# KiCad board SNES_LoROM_Flash_1-2.kicad_pcb (continued)
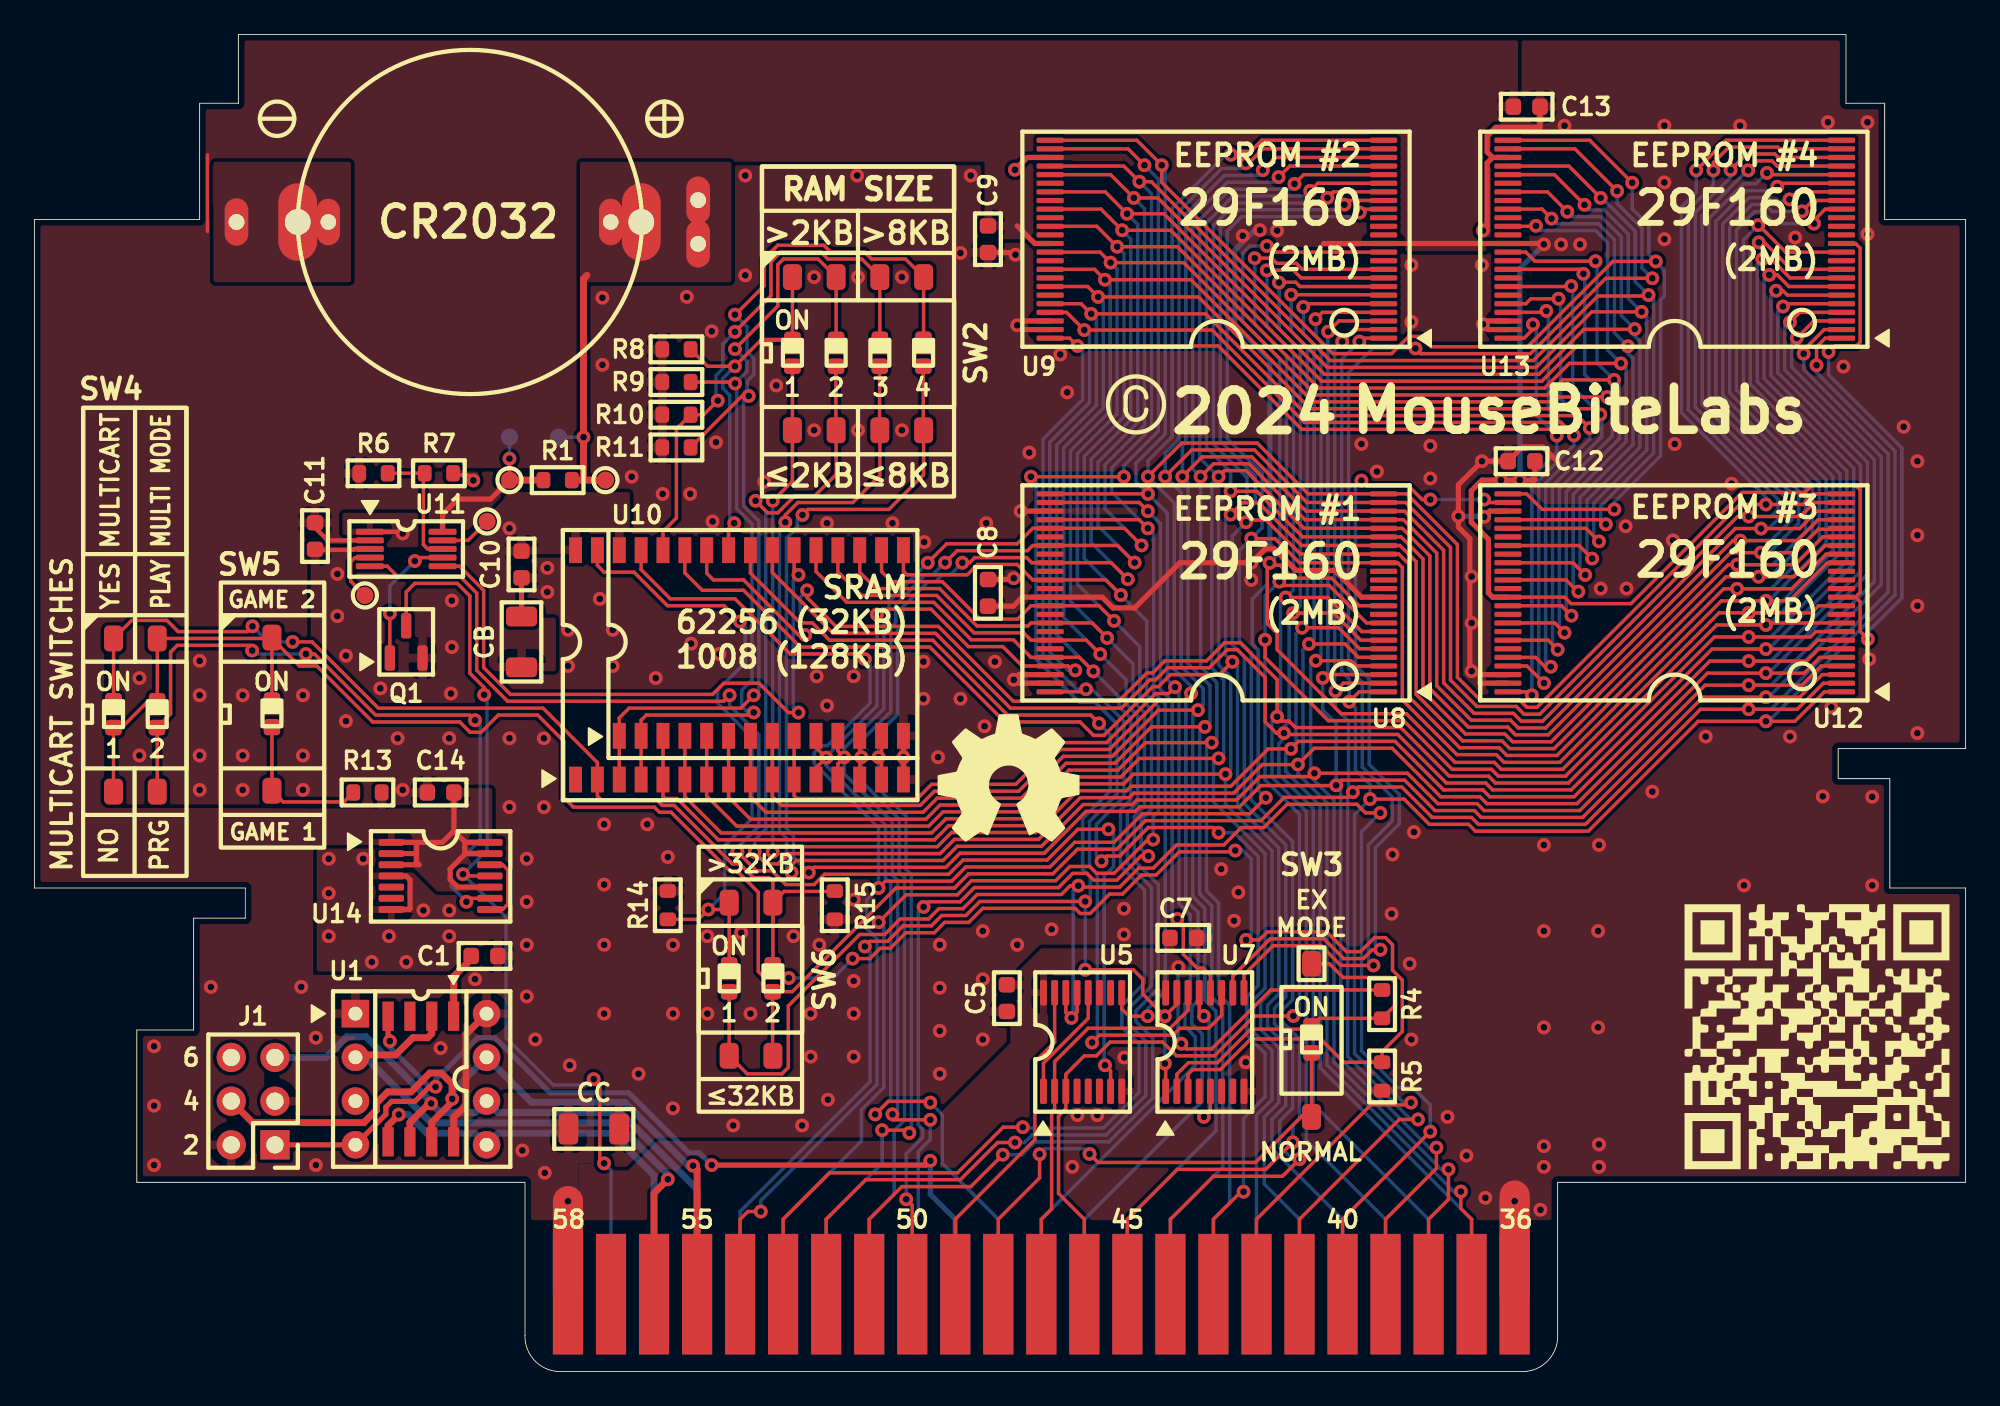
[diagram p0: board, top side]
## Routing (per net, layer and track width the routed paths; a pad name or vN(x,y) marks a point on that pad's centre or on a via; arc(x,y) is an arc through that point) (continued)
  Bottom w0.2: v1(27.6,53.05) TP4.1
+VSW: length 2
  Top w0.25: U11.1 21.3,48.8 v1(21.4,48.7)
  Top w0.3: 31.38,47.67 U10.32
  vias: v1(27.6,49)
/A_{0}: length 147.8
  Top w0.2: U9.45 59.97,61.55 v1(61,60.52) 68.42,60.52 73.79,55.15 88.7,55.15 v1(89.45,54.4) ; v1(87.71,40.01) 86.71,41 U12.45 ; 59.01,41 60.05,41 60.3,40.75 v1(60.48,40.75) ; v1(48.95,44) 49.25,44.3 52.09,44.3 54.26,42.12 56.26,42.12 57.39,41 U8.45 ; v1(52.05,15.63) 51.98,15.7 49.61,15.7 v1(48.85,14.94) ; v1(87.84,61.63) 87.76,61.55 U13.45 ; U10.12 45.41,36.27 v1(46.01,35.67) 45.41,35.08 U10.12
  Bottom w0.2: v1(52.05,15.63) 52.75,14.93 52.75,12.1 56,8.85 P1.17 ; v1(61,60.52) 61.3,60.22 61.3,56.31 59,54.01 59,41.82 60.07,40.75 v1(60.48,40.75) ; v1(48.95,44) 48.95,38.68 46.01,35.74 v1(46.01,35.67) 46.01,35.21 49.44,31.77 49.44,28.69 49.75,28.38 49.75,15.84 v1(48.85,14.94) ; v1(87.71,40.01) 87.4,40.31 87.4,51.79 89.45,53.84 v1(89.45,54.4) 87.96,55.88 87.96,61.51 v1(87.84,61.63)
/A_{1}: length 185.2
  Top w0.2: v1(64.7,51) 64.7,51 59.01,51 ; v1(66.27,39.77) 65.9,39.4 65.14,39.4 62.29,36.55 59.44,36.55 57.02,34.12 52.12,34.12 51.3,33.3 44.3,33.3 44.14,33.46 U10.11 U10.11 ; U13.25 90.36,71.55 v1(92.83,69.08) ; v1(91.79,50.1) 87.6,50.1 86.7,51 U12.25 ; v1(94.2,64.51) 91.71,64.51 86.75,59.55 81.15,59.55 80.55,60.15 79.85,60.15 78.85,59.15 75.45,59.15 74.6,60 65.5,69.1 v1(65.5,70.1) 64.05,71.55 U9.25
  Bottom w0.2: v1(65.5,70.1) 65.7,69.9 65.7,54.49 64,52.79 64,51.71 64.7,51.01 v1(64.7,51) 65.82,49.87 65.82,40.22 v1(66.27,39.77) 66.5,39.54 66.5,27.19 67.16,26.53 67.16,21.69 66.85,21.37 66.85,20.05 67.45,19.45 67.45,17.8 58.5,8.85 P1.16 ; v1(91.79,50.1) 91.79,50.53 94.48,53.21 94.48,62.28 94.7,62.5 94.7,63.99 94.2,64.49 v1(94.2,64.51) 93.8,64.91 93.8,66.6 92.83,67.57 v1(92.83,69.08)
/A_{2}: length 201.5
  Top w0.2: U12.24 103.35,51 102.74,50.39 v1(100.6,50.39) 99.09,50.39 87.3,38.6 86.71,38.6 86.26,39.05 83.98,39.05 82.67,40.35 82.67,48.06 79.73,51 U8.24 ; U9.24 71.31,71.55 70.67,70.91 70.67,70.91 70.09,70.91 69.89,70.71 v1(69.52,70.71) ; 64.7,51.99 v1(64.7,52) 66.65,53.95 71.05,53.95 74,51 78.39,51 ; U13.24 104.99,71.55 98.29,71.55 97.15,70.41 97.15,70.4 v1(96.55,69.8) 96.4,69.8 96.3,69.7 ; v1(67.2,39.41) 66.79,39 65.31,39 62.46,36.15 59.61,36.15 57.18,33.72 52.29,33.72 51.47,32.9 43.4,32.9 42.87,33.43 U10.10 U10.10
  Bottom w0.2: v1(96.55,69.8) 96.55,68.53 95.69,67.67 95.69,55.72 100.6,50.81 v1(100.6,50.39) 100.49,50.39 ; v1(69.52,70.71) 69.21,70.71 66.1,67.6 66.1,54.32 64.7,52.92 64.7,51.99 66.22,50.46 66.22,40.81 67.2,39.83 v1(67.2,39.41) 66.9,39.11 66.9,27.4 67.6,26.7 67.6,21.56 67.25,21.21 67.25,20.21 67.85,19.61 67.85,15.69 61,8.85 P1.15
/A_{3}: length 201.4
  Top w0.2: U9.23 71.38,71.05 70.54,70.21 v1(70.38,70.21) ; U13.23 101.39,71.05 101.28,71.15 98.45,71.15 97.55,70.25 v1(97.55,69.8) ; 78.39,50.5 73.93,50.5 70.88,53.55 67.24,53.55 65.7,52.01 ; U12.23 103.42,50.5 102.82,49.9 102.81,49.9 102.59,49.69 98.95,49.69 87.47,38.2 86.54,38.2 86.09,38.65 83.81,38.65 82.27,40.18 82.28,47.89 79.67,50.5 U8.23 ; U10.9 U10.9 41.6,33.4 42.5,32.5 51.63,32.5 52.45,33.32 57.35,33.32 59.77,35.75 62.62,35.75 65.31,38.44 v1(67.6,38.44)
  Bottom w0.2: v1(70.38,70.21) 70.08,69.91 68.98,69.91 66.5,67.43 66.5,54.16 65.7,53.35 65.7,52.01 66,51.71 66,51.71 66.41,51.3 66.41,51.3 66.62,51.08 66.62,40.97 67.9,39.7 67.9,38.74 v1(67.6,38.44) 67.3,38.14 67.3,27.6 68,26.9 68,21.6 68.65,20.95 68.65,14 63.5,8.85 P1.14 ; v1(99.6,49.69) 100.89,49.69 101.3,50.1 101.3,50.68 96.09,55.88 96.09,67.51 97.55,68.96 v1(97.55,69.8)
  vias: v1(65.7,52)
/A_{4}: length 198.7
  Top w0.2: U10.8 U10.8 40.33,33.37 41.6,32.1 51.8,32.1 52.62,32.92 57.51,32.92 59.94,35.35 62.79,35.35 64.9,37.46 v1(68,37.46) ; 78.39,50 73.89,50 73.74,50.15 73.72,50.15 70.72,53.15 67.85,53.15 v1(66.7,52) 66.7,51.99 ; U13.22 101.32,70.55 101.12,70.75 99.48,70.75 v1(98.55,69.82) ; U9.22 72.11,70.55 v1(71.37,69.81) ; U8.22 79.6,50 81.88,47.73 81.87,40.02 83.64,38.25 85.93,38.25 86.38,37.8 87.63,37.8 98.82,48.99 102.56,48.99 103.57,50 U12.22
  Bottom w0.2: P1.13 66,8.85 69.05,11.9 69.05,21.12 68.4,21.76 68.4,27.07 67.7,27.77 67.7,37.16 v1(68,37.46) 68.3,37.76 68.3,39.86 67.02,41.14 67.02,51.67 v1(66.7,52) 66.7,53.79 66.9,53.99 66.9,67.26 69.14,69.51 71.07,69.51 v1(71.37,69.81) ; v1(100.31,48.99) 100.75,48.99 101.7,49.93 101.7,50.84 96.49,56.05 96.49,67.34 98.55,69.4 v1(98.55,69.82)
/A_{5}: length 198.7
  Top w0.2: v1(99.57,69.8) 100.12,70.35 100.95,70.35 101.26,70.05 U13.21 ; 78.39,49.5 73.82,49.5 73.57,49.75 73.55,49.75 70.55,52.75 68.51,52.75 v1(67.76,52) 67.76,51.94 ; U12.21 103.63,49.5 102.42,48.29 98.68,48.29 87.8,37.4 86.21,37.4 85.76,37.85 83.48,37.85 81.47,39.85 81.47,47.56 79.54,49.5 U8.21 ; v1(68.4,36.55) 64.55,36.55 62.95,34.95 60.11,34.95 57.68,32.52 52.79,32.52 51.96,31.7 40.8,31.7 39.06,33.44 U10.7 U10.7 ; v1(72.29,69.41) 72.93,70.05 U9.21
  Bottom w0.2: v1(72.29,69.41) 71.99,69.11 69.31,69.11 67.3,67.1 67.3,52.46 v1(67.76,52) 67.76,40.97 68.7,40.03 68.7,36.85 v1(68.4,36.55) 68.1,36.25 68.1,27.93 68.8,27.23 68.8,21.93 69.45,21.28 69.45,9.8 68.5,8.85 P1.12 ; 99.57,69.75 v1(99.57,69.8) 99.52,69.8 96.89,67.17 96.89,56.22 102.1,51.01 102.1,49.5 100.89,48.29 v1(99.11,48.29)
/A_{6}: length 198.7
  Top w0.2: 78.39,49 73.76,49 73.41,49.35 73.39,49.35 70.39,52.35 69.15,52.35 v1(68.8,52) ; U10.6 U10.6 37.79,33.41 39.9,31.3 52.13,31.3 52.95,32.12 57.84,32.12 60.27,34.55 63.12,34.55 64.2,35.63 v1(68.8,35.63) ; v1(100.66,69.65) 100.77,69.55 U13.20 ; U8.20 79.47,49 81.07,47.4 81.07,39.69 83.31,37.45 85.6,37.45 86.05,37 87.96,37 98.55,47.59 102.29,47.59 103.65,48.95 104.95,48.95 104.99,48.99 U12.20 ; v1(73.21,69.01) 73.75,69.55 U9.20
  Bottom w0.2: v1(100.31,47.59) 100.79,47.59 102.5,49.3 102.5,51.17 97.29,56.38 97.29,67.01 99.3,69.02 100.03,69.02 v1(100.66,69.65) ; P1.11 71,14.9 71.9,15.8 71.9,18.66 70.85,19.71 70.85,21.62 71.5,22.27 71.5,30.1 68.5,33.1 68.5,35.33 v1(68.8,35.63) 69.1,35.93 69.1,40.19 68.4,40.89 68.4,51.6 v1(68.8,52) 67.7,53.1 67.7,66.93 69.48,68.71 72.9,68.71 v1(73.21,69.01)
/A_{7}: length 200.8
  Top w0.2: U12.19 103.9,48.5 102.29,46.89 98.41,46.89 88.13,36.6 85.88,36.6 85.43,37.05 83.15,37.05 80.67,39.52 80.67,47.23 79.4,48.5 U8.19 ; v1(69.2,34.71) 63.85,34.71 63.29,34.15 60.44,34.15 58.01,31.72 53.12,31.72 52.29,30.9 39.73,30.9 37.33,33.3 36.65,33.3 36.52,33.43 U10.5 U10.5 ; U13.19 101.46,69.05 v1(101.26,68.85) ; 78.39,48.5 73.69,48.5 73.24,48.95 73.22,48.95 71.02,51.15 v1(69.5,51.15) ; v1(74.12,68.61) 74.57,69.05 U9.19
  Bottom w0.2: P1.10 73.5,8.85 71.45,10.9 71.45,14.78 72.3,15.63 72.3,18.82 71.25,19.88 71.25,21.45 71.9,22.1 71.9,30.27 69.2,32.97 v1(69.2,34.71) 69.5,35.01 69.5,40.36 68.8,41.06 68.8,50.45 v1(69.5,51.15) 69.5,52.29 68.1,53.69 68.1,66.77 69.64,68.31 73.82,68.31 v1(74.12,68.61) ; v1(101.26,68.85) 101.03,68.62 99.47,68.62 97.69,66.84 97.69,56.55 102.9,51.34 102.9,48.8 100.99,46.89 v1(98.92,46.89)
/A_{8}: length 200.2
  Top w0.2: v1(69.5,49.8) 70.18,50.48 71.13,50.48 73.06,48.55 73.07,48.55 73.62,48 78.39,48 ; v1(69.6,41.25) 68.85,40.5 66.01,40.5 65.31,39.8 64.98,39.8 62.14,36.97 61.53,36.97 60.75,37.75 56.38,37.75 52.03,42.1 44.5,42.1 41.2,45.4 38.8,45.4 37.79,46.41 U10.27 ; v1(75.12,68.21) 75.47,68.55 U9.18 ; v1(101.97,68.11) 102.41,68.55 U13.18 ; U8.18 79.34,48 80.28,47.06 80.28,39.36 82.98,36.65 85.27,36.65 85.72,36.2 88.29,36.2 98.28,46.19 102.22,46.19 104.04,48 U12.18
  Bottom w0.2: v1(100.17,46.19) 100.85,46.19 103.3,48.63 103.3,51.5 98.09,56.71 98.09,66.68 99.63,68.22 100.71,68.22 100.93,68 101.86,68 v1(101.97,68.11) ; P1.9 76,8.85 71.9,12.95 71.9,14.67 72.7,15.47 72.7,18.99 71.65,20.04 71.65,21.28 72.3,21.94 72.3,30.43 69.9,32.83 69.9,40.95 v1(69.6,41.25) 69.2,41.65 69.2,49.5 v1(69.5,49.8) 69.5,49.8 70.45,50.76 70.45,51.94 68.5,53.9 68.5,66.6 69.81,67.91 74.82,67.91 v1(75.12,68.21)
/A_{9}: length 193.4
  Top w0.2: U12.8 103.5,43 103.19,42.69 97.61,42.69 89.12,34.2 84.89,34.2 84.49,34.6 82.2,34.6 79.38,37.42 73.27,37.42 72.89,37.8 72.45,37.8 v1(72.2,38.05) 72.2,40.21 70.06,42.35 69.15,42.35 68.1,41.3 65.67,41.3 64.97,40.6 64.63,40.6 62.98,38.95 56.87,38.95 52.52,43.3 46.57,43.3 44.89,44.97 v1(44.89,45.4) ; v1(100.39,64.64) 100.92,64.64 102,63.55 U13.8 ; 78.39,43 77.12,43 75.15,44.98 v1(72.7,44.98) ; U10.26 39.06,46.39 39.45,46 41.2,46 44.4,42.8 v1(44.79,42.8) ; v1(71.6,63.99) 71.61,64 73.15,64 73.6,63.55 U9.8
  Bottom w0.2: v1(44.79,42.8) 44.49,43.1 44.49,45 v1(44.89,45.4) ; P1.8 78.5,8.85 73.9,13.45 73.9,32.55 71.9,34.54 71.9,37.75 v1(72.2,38.05) 72.4,38.25 72.4,44.68 v1(72.7,44.98) 73.15,45.43 73.15,59.19 71.61,60.73 71.61,63.98 v1(71.6,63.99) ; v1(99.6,42.69) 100.89,42.69 101.3,43.1 101.3,43.1 105.3,47.1 105.3,52.33 100.09,57.54 100.09,64.34 v1(100.39,64.64)
/A_{10}: length 182.9
  Top w0.2: v1(100.79,63.72) 101.27,63.72 101.94,63.05 U13.7 ; v1(73.13,44.08) 75.48,44.08 77.05,42.5 78.39,42.5 ; U9.7 73.53,63.05 73.28,63.3 72.33,63.3 v1(72.31,63.28) ; U10.23 42.87,46.43 46.4,42.9 52.36,42.9 56.71,38.55 63.15,38.55 64.8,40.2 65.14,40.2 65.84,40.9 68.26,40.9 69.31,41.95 69.89,41.95 71.5,40.34 71.5,37.76 72.16,37.1 v1(72.6,37.1) 72.68,37.02 79.21,37.02 82.04,34.2 84.32,34.2 84.72,33.8 89.29,33.8 97.47,41.99 103.09,41.99 103.61,42.5 U12.7
  Bottom w0.2: 72.8,37 72.3,36.5 72.3,34.71 74.3,32.71 74.3,15.55 81,8.85 P1.7 ; v1(72.31,63.28) 72.52,63.07 72.32,62.86 72.32,60.59 73.55,59.35 73.55,44.5 v1(73.13,44.08) 72.9,43.85 72.9,37.76 72.6,37.46 v1(72.6,37.1) ; v1(100.79,63.72) 100.49,63.42 100.49,57.71 105.7,52.5 105.7,46.93 101.7,42.93 101.7,42.93 100.76,41.99 v1(100.6,41.99)
/A_{11}: length 203.6
  Top w0.2: v1(42.89,30.2) 43.19,30.5 52.46,30.5 53.28,31.32 58.18,31.32 60.6,33.75 63.45,33.75 63.72,34.01 69.51,34.01 71.69,36.19 v1(73.01,36.19) 73.44,36.62 79.05,36.62 81.87,33.8 84.16,33.8 84.56,33.4 89.45,33.4 97.34,41.29 102.96,41.29 103.67,42 U12.6 ; SW2.1 SW2.1 44.04,51.74 v1(42.9,50.6) ; v1(101.19,62.81) 101.59,62.81 101.85,62.55 U13.6 ; U9.6 78.36,62.57 v1(73.02,62.57) ; v1(73.65,43.22) 75.77,43.22 76.99,42 78.39,42
  Bottom w0.2: v1(99.6,41.29) 100.89,41.29 101.3,41.7 101.3,41.7 106.1,46.5 106.1,52.66 100.89,57.87 100.89,62.51 v1(101.19,62.81) ; v1(73.02,62.57) 73.02,60.45 73.95,59.52 73.95,43.52 v1(73.65,43.22) 73.3,42.87 73.3,36.48 v1(73.01,36.19) 72.7,35.88 72.7,34.88 74.7,32.88 74.7,17.65 83.5,8.85 P1.6 ; v1(42.9,50.6) 42.89,50.59 v1(42.89,30.2)
/A_{12}: length 205.6
  Top w0.2: v1(73.72,61.87) 73.8,61.87 73.98,62.05 U9.5 ; v1(74.05,42.28) 76.15,42.28 76.92,41.5 78.39,41.5 ; v1(41.84,30.2) 41.84,30.17 42.51,29.5 43.2,29.5 43.8,30.1 52.63,30.1 53.45,30.92 58.34,30.92 60.77,33.35 63.62,33.35 63.88,33.61 69.68,33.61 71.34,35.27 v1(73.41,35.27) 74.36,36.22 78.88,36.22 81.71,33.4 83.99,33.4 84.39,33 89.62,33 97.21,40.59 102.82,40.59 103.74,41.5 U12.5 ; v1(101.59,61.89) 101.75,62.05 U13.5 ; P1.37 83.5,8.85 82.88,9.47 v1(82.88,10.46) ; SW2.2 46.56,54.71 SW2.2 46.58,52.13 45.35,50.9 44.19,50.9 43.19,49.9 42.6,49.9 v1(41.9,50.6)
  Bottom w0.2: v1(100.6,40.59) 100.76,40.59 101.7,41.53 101.7,41.53 106.5,46.33 106.5,52.83 101.29,58.04 101.29,61.59 v1(101.59,61.89) ; v1(82.88,10.46) 82.45,10.46 75.1,17.82 75.1,33.04 73.41,34.73 v1(73.41,35.27) 73.71,35.57 73.71,36.48 73.7,36.48 73.7,41.93 v1(74.05,42.28) 74.35,42.58 74.35,59.68 73.73,60.3 73.73,61.86 v1(73.72,61.87) ; v1(41.9,50.6) 42.49,50.01 42.49,31.53 41.84,30.88 v1(41.84,30.2)
/A_{13}: length 202.1
  Top w0.2: U12.4 103.8,41 102.69,39.89 97.07,39.89 89.79,32.6 84.22,32.6 83.82,33 81.54,33 79.77,34.77 v1(74.37,34.77) 74.17,34.57 71.2,34.57 69.85,33.21 64.05,33.21 63.78,32.95 60.93,32.95 58.51,30.52 53.61,30.52 52.79,29.7 44.27,29.7 43.99,29.43 v1(43.99,29) ; U13.4 102.57,61.55 v1(101.99,60.97) ; v1(74.43,61.16) 74.44,61.16 74.84,61.55 U9.4 ; P1.38 81,8.85 82.16,10.01 v1(82.16,11.75) ; v1(74.45,41.31) 76.49,41.31 76.8,41 78.39,41 ; v1(43.63,49.35) 43.63,49.77 44.36,50.5 47.55,50.5 49.12,52.07 SW2.3 49.1,54.71 SW2.3
  Bottom w0.2: v1(82.16,11.75) 81.73,11.75 75.5,17.98 75.5,33.21 74.37,34.34 v1(74.37,34.77) 74.15,34.98 74.15,41.01 v1(74.45,41.31) 74.75,41.61 74.75,59.85 74.46,60.14 74.46,61.13 v1(74.43,61.16) ; v1(43.99,29) 43.7,29.3 43.7,30.98 43.29,31.39 43.29,49.01 ; 43.29,49.01 43.6,49.32 ; 43.29,49.01 43.63,49.35 v1(43.63,49.35) ; v1(101.99,60.97) 101.69,60.67 101.69,58.2 106.9,53 106.9,45.9 101.3,40.3 101.3,40.3 100.89,39.89 v1(99.6,39.89)
/A_{14}: length 199
  Top w0.2: U9.3 75.79,61.05 v1(75.16,60.43) ; v1(44.62,49.78) 44.95,50.1 49.65,50.1 51.66,52.11 SW2.4 51.64,54.71 SW2.4 ; v1(81.46,13.01) 81.46,11.81 78.5,8.85 P1.39 ; v1(74.85,40.31) 75.05,40.5 78.39,40.5 ; v1(102.39,60.06) 103.38,61.05 U13.3 ; 89.95,32.2 84.06,32.2 83.66,32.6 81.37,32.6 79.61,34.37 75.93,34.37 v1(75.63,34.07) 75.61,34.05 71.25,34.05 70.01,32.81 64.21,32.81 63.95,32.55 61.1,32.55 58.67,30.12 53.78,30.12 52.96,29.3 45.29,29.3 v1(44.99,29) ; 89.95,32.2 89.98,32.22 ; 89.95,32.2 89.98,32.22 ; 89.98,32.22 96.94,39.19 102.56,39.19 103.87,40.5 U12.3
  Bottom w0.2: v1(100.6,39.19) 100.76,39.19 101.7,40.13 101.7,40.13 107.3,45.73 107.3,53.16 102.09,58.37 102.09,59.76 v1(102.39,60.06) ; v1(75.16,60.43) 75.15,60.41 75.15,40.61 v1(74.85,40.31) 74.85,38.45 75.63,37.67 v1(75.63,34.07) 75.9,33.8 75.9,18.15 81.03,13.01 v1(81.46,13.01) ; v1(44.99,29) 44.99,29 44.1,29.89 44.1,31.15 43.69,31.56 43.69,48.43 44.33,49.06 44.33,49.48 v1(44.62,49.78)
/A_{15}: length 94.6
  Top w0.2: P1.40 76,8.85 v1(81.09,13.94) ; 40.36,22.08 SW6.1 41.41,17.3 43.43,17.3 43.8,17.67 43.8,21.25 47.95,25.4 49.4,25.4 50.3,26.3 51.95,26.3 52.55,26.9 53.95,26.9 54.77,27.72 59.67,27.72 60.18,28.23 v1(60.65,28.23) 60.73,28.15 63.05,28.15 64.16,29.26 65.01,29.26 66.35,30.6 69.1,30.6 70.11,31.61 71.43,31.61 72.78,32.97 76.31,32.97 76.31,32.97 76.83,32.97 77.34,32.46 v1(78.2,32.46) ; U5.13 60.57,20.88 v1(60.25,20.55) 59.92,20.88 59.92,22.01
  Bottom w0.2: v1(60.65,28.23) 60.35,27.93 60.35,20.65 v1(60.25,20.55) ; v1(78.2,32.46) 77.1,31.37 77.1,18.64 79.24,16.51 80.09,16.51 81.09,15.5 v1(81.09,13.94)
/BA_{0}: length 171.9
  Top w0.2: P1.41 73.5,8.85 79.3,14.65 v1(80.39,14.65) ; 78.39,40 76.05,40 v1(75.59,39.54) ; U9.2 76.68,60.55 v1(75.98,59.85) ; v1(102.79,59.14) 102.79,59.36 103.98,60.55 U13.2 ; SW6.2 42.89,18.36 42.89,22.08 44.03,22.08 50.05,28.1 53.45,28.1 54.28,28.92 59.17,28.92 60.6,30.36 62.89,30.36 64.54,32.01 71.26,32.01 72.62,33.37 76.3,33.37 v1(76.6,33.67) 76.9,33.97 79.44,33.97 81.21,32.2 83.49,32.2 83.89,31.8 90.12,31.8 96.8,38.49 102.42,38.49 103.93,40 U12.2
  Bottom w0.2: v1(80.39,14.65) 79.96,14.65 76.3,18.31 76.3,33.37 v1(76.6,33.67) 76.35,33.92 76.35,37.8 75.59,38.55 v1(75.59,39.54) 75.55,39.59 75.55,59.42 v1(75.98,59.85) ; v1(99.6,38.49) 100.89,38.49 107.7,45.3 107.7,53.33 102.79,58.24 v1(102.79,59.14)
/BA_{1}: length 127.2
  Top w0.2: P1.42 71,8.85 77.65,15.5 79.85,15.5 v1(79.98,15.63) ; U12.1 104,39.5 102.29,37.79 96.67,37.79 90.28,31.4 83.73,31.4 83.33,31.8 81.04,31.8 79.58,33.27 v1(77.6,33.27) ; 78.39,39.5 76.97,39.5 v1(76.39,38.93) ; v1(103.54,58.48) 103.54,59.54 104.05,60.05 U13.1 ; v1(76.98,59.85) 77.18,60.05 U9.1
  Bottom w0.2: v1(79.98,15.63) 79.55,15.63 76.7,18.48 76.7,32.37 v1(77.6,33.27) 77.6,34.11 76.75,34.96 76.75,38.57 v1(76.39,38.93) 76.39,40.24 75.95,40.68 75.95,58.82 v1(76.98,59.85) ; v1(103.54,58.48) 103.54,58.05 108.1,53.49 108.1,45.13 100.76,37.79 v1(100.6,37.79)
/BA_{2}: length 132.4
  Top w0.2: v1(70.25,10.45) 70.1,10.45 68.5,8.85 P1.43 ; 59.01,39.5 60.95,39.5 v1(61.1,39.65) ; v1(87.06,60.85) 87.06,60.56 86.55,60.05 U13.48 ; U9.48 60.15,60.05 v1(60.6,59.6) 68.78,59.6 73.63,54.75 88.08,54.75 v1(88.45,54.39) ; v1(68.8,31.31) 68.5,31.61 64.71,31.61 63.05,29.96 62.3,29.96 v1(62,29.66) ; U12.48 86.8,39.5 v1(87,39.3)
  Bottom w0.2: v1(62,29.66) 61.7,29.96 61.7,31.8 63.3,33.4 63.3,37.79 61.44,39.65 v1(61.1,39.65) 60.55,39.65 58.6,41.6 58.6,54.17 60.9,56.48 60.9,59.3 v1(60.6,59.6) ; v1(68.8,31.31) 69.72,31.31 71.1,29.94 71.1,22.44 70.45,21.78 70.45,19.54 71.5,18.49 71.5,15.97 70.25,14.72 v1(70.25,10.45) ; v1(87,39.3) 87,51.96 88.45,53.4 v1(88.45,54.39) 87.26,55.58 87.26,60.66 v1(87.06,60.85)
/BA_{3}: length 165.4
  Top w0.2: U8.17 79.27,47.5 79.88,46.9 79.88,39.19 82.82,36.25 85.1,36.25 85.55,35.8 88.46,35.8 98.15,45.49 102.09,45.49 104.1,47.5 U12.17 ; v1(70.39,49.35) 70.52,49.48 71.56,49.48 72.89,48.15 72.91,48.15 73.56,47.5 78.39,47.5 ; U13.17 103.33,68.05 v1(102.69,67.42) ; v1(76.11,67.81) 76.35,68.05 U9.17 ; P1.44 66,8.85 68.5,11.35 72.51,11.35 v1(73.5,12.34)
  Bottom w0.2: v1(102.69,67.42) 102.27,67.42 102.26,67.41 100.95,67.41 100.55,67.82 99.8,67.82 98.49,66.51 98.49,56.88 103.7,51.67 103.7,48.3 101.3,45.9 101.3,45.9 100.89,45.49 v1(98.92,45.49) ; v1(76.11,67.81) 75.81,67.51 69.97,67.51 68.9,66.44 68.9,54.06 70.93,52.03 70.93,50.48 70.52,50.07 70.52,49.48 v1(70.39,49.35) 69.6,48.56 69.6,42.24 70.3,41.54 70.3,33 72.7,30.6 72.7,21.77 72.05,21.12 72.05,20.21 73.1,19.15 73.1,15.3 72.35,14.55 72.35,13.1 73.11,12.34 v1(73.5,12.34)
/BA_{4}: length 163.5
  Top w0.2: P1.45 63.5,8.85 66.4,11.75 71.54,11.75 v1(73.11,13.33) ; 70.65,48.4 72.08,48.4 72.72,47.75 72.74,47.75 73.49,47 78.39,47 ; U12.16 104.17,47 101.95,44.79 98.01,44.79 88.63,35.4 85.38,35.4 84.93,35.85 82.65,35.85 79.47,39.02 79.47,46.73 79.21,47 U8.16 ; v1(77,67.35) 77.2,67.55 U9.16 ; v1(103.39,66.7) 103.39,66.89 104.05,67.55 U13.16
  Bottom w0.2: v1(100.6,44.79) 100.76,44.79 101.7,45.73 101.7,45.73 104.1,48.13 104.1,51.84 98.89,57.04 98.89,66.35 99.95,67.4 100.4,67.4 101.1,66.7 v1(103.39,66.7) ; v1(77,67.35) 76.76,67.11 70.14,67.11 69.3,66.27 69.3,54.23 71.33,52.2 71.33,49.03 v1(70.7,48.4) 70,47.7 70,42.47 70.7,41.77 70.7,33.2 73.1,30.8 73.1,21.61 72.45,20.95 72.45,20.37 73.5,19.32 73.5,14.7 73.11,14.31 v1(73.11,13.33)
/BA_{5}: length 162.9
  Top w0.2: v1(70.9,64.7) 71.88,64.7 72.18,64.4 73.31,64.4 73.66,64.05 U9.9 ; P1.46 61,8.85 59.5,10.35 59.5,14.85 59.92,15.27 59.92,17.27 61,18.35 61.7,18.35 62.5,19.15 65.55,19.15 66.35,18.35 68.57,18.35 70.88,20.66 v1(73.15,20.66) ; v1(100.18,65.62) 100.5,65.62 102.07,64.05 U13.9 ; v1(72.33,45.91) 72.55,45.68 75.22,45.68 77.4,43.5 78.39,43.5 ; U12.9 100.71,43.5 v1(100.6,43.39) 97.74,43.39 88.96,34.6 85.05,34.6 84.65,35 82.37,35 79.55,37.82 75.18,37.82 71.5,41.5 v1(71.5,42.52)
  Bottom w0.2: v1(100.6,43.39) 100.76,43.39 101.7,44.33 101.7,44.33 104.9,47.53 104.9,52.17 99.69,57.38 99.69,65.13 v1(100.18,65.62) ; v1(70.9,64.7) 70.9,64.7 70.9,60.87 72.75,59.02 72.75,46.33 v1(72.33,45.91) 71.5,45.08 v1(71.5,42.52) 71.5,34.38 73.5,32.38 73.5,21.02 v1(73.15,20.66)
/BA_{6}: length 23.8
  Top w0.2: P1.47 58.5,8.85 59.1,9.45 59.1,15.08 59.28,15.25 U5.2 59.28,18.01 61.22,19.95 65.99,19.95 67.03,20.99 U7.14
/BA_{7}: length 30.3
  Top w0.2: P1.48 56,8.85 58.4,11.25 v1(58.4,12.63) ; v1(61.31,12.64) 61.8,12.15 70.95,12.15 73.66,14.86 74.14,14.86 SW3.1 SW3.1
  Bottom w0.2: v1(61.31,12.64) 61,12.95 58.72,12.95 v1(58.4,12.63)
/CIC.CLK: length 34.3
  Top w0.4: U1B1.2 18.79,18.4 20.98,18.4 21.98,19.4 22.85,19.4 23.08,19.63 U1A1.2 ; P1.56 36,10.37 v1(36.8,11.17)
  Bottom w0.4: U1B1.2 19.24,18.26 23.05,14.45 33.8,14.45 36.8,11.45 v1(36.8,11.17)
/CIC.D_{0}: length 44.3
  Top w0.4: P1.55 38.5,11.73 v1(38.27,11.97) ; J1.4 12.68,14.47 19.14,14.47 19.87,15.2 19.87,15.6 20.52,16.25 21.87,16.25 22.97,17.35 23.64,17.35 24.27,16.71 v1(24.27,15.85) 24.27,15.67 23.08,14.48 U1A1.7
  Bottom w0.4: v1(38.27,11.97) 37.98,11.97 34.3,15.65 28.88,15.65 U1B1.7 24.27,16.26 v1(24.27,15.85)
/CIC.D_{1}: length 38.2
  Top w0.4: v1(23.05,15.58) 22.93,15.58 21.81,14.47 21.81,13.35
  Bottom w0.4: P1.24 38.5,10.6 34.05,15.05 26.94,15.05 U1B1.6 25.6,15.05 23.58,15.05 v1(23.05,15.58) 23.05,15.67 19.26,19.46 18.15,19.46 16.95,18.25 J1.5
/CIC.RST: length 25.6
  Top w0.4: v1(21.17,14.93) 21.17,14.92 20.54,14.3 U1A1.5
  Bottom w0.4: v1(21.17,14.93) 21.72,14.93 22.8,13.85 25.6,13.85 U1B1.5 26.94,13.85 33.55,13.85 36,11.4 P1.25
/D_{0}: length 161.4
  Top w0.2: 59.01,49 63.33,49 v1(64.32,48.01) ; U10.13 46.68,35.32 v1(47.05,35.69) 46.68,36.06 U10.13 ; v1(90.9,48.24) 90.14,49 U12.29 ; v1(90.06,67.8) 88.31,69.55 U13.29 ; v1(52.05,14.63) 49.87,14.63 49.85,14.64 v1(49.85,14.95) ; U9.29 62.53,69.55 v1(63.88,68.2) 65.27,68.2 75.12,58.35 87.25,58.35 90.48,61.58 v1(93.38,61.58) ; v1(51.9,47) 53,48.1 57.1,48.1 58,49 U8.29
  Bottom w0.2: v1(49.85,14.95) 50.15,15.25 50.15,28.55 49.84,28.86 49.84,31.94 47.05,34.73 v1(47.05,35.69) 47.05,36.22 49.35,38.52 49.35,43.41 49.65,43.71 49.65,44.75 v1(51.9,47) ; v1(52.05,14.63) 52.05,13.48 51.35,12.78 51.35,9.17 51,8.83 P1.19 ; v1(90.9,48.24) 90.6,48.54 90.6,50.47 93.68,53.54 93.68,61.28 v1(93.38,61.58) 92.6,62.36 92.6,66.1 91.2,67.5 90.36,67.5 v1(90.06,67.8) ; v1(64.32,48.01) 62.2,50.14 62.2,52.68 64.5,54.99 64.5,67.58 v1(63.88,68.2)
/D_{1}: length 156.4
  Top w0.2: v1(92.98,60.58) 92.85,60.58 92.83,60.56 90.03,60.56 87.41,57.95 74.95,57.95 74.1,58.8 65.62,67.28 v1(63.48,67.28) 62.21,68.55 U9.31 ; v1(63.92,47.01) 62.93,48 59.01,48 ; v1(90.5,47.24) 89.74,48 U12.31 ; v1(52.91,47.01) 53.6,47.7 57.7,47.7 58,48 U8.31 ; U13.31 87.91,68.55 v1(89.06,67.4) ; U10.14 U10.14
  Bottom w0.2: v1(63.48,67.28) 64.1,66.66 64.1,55.15 61.8,52.85 61.8,49.14 v1(63.92,47.01) ; v1(89.06,67.4) 89.36,67.1 91.04,67.1 92.2,65.94 92.2,61.36 v1(92.98,60.58) 92.98,60.17 93.28,59.87 93.28,53.71 90.2,50.63 90.2,47.54 v1(90.5,47.24) ; v1(52.91,47.01) 52.6,47.01 52.6,46.71 52.19,46.3 51.77,46.3 50.05,44.58 50.05,43.54 49.75,43.24 49.75,38.35 48.05,36.65 v1(48.05,35.7) 48.05,34.3 50.24,32.1 50.24,29.02 50.55,28.71 50.55,14.6 49.95,14 49.95,10.3 48.5,8.85 P1.20
/D_{2}: length 155.7
  Top w0.2: v1(63.52,46.04) 62.56,47 59.01,47 ; U8.33 57.95,47 57.65,47.3 54.63,47.3 54.34,47 v1(53.91,47) ; v1(92.58,59.58) 89.61,59.58 87.58,57.55 74.79,57.55 66.02,66.32 v1(63.2,66.32) 61.97,67.55 U9.33 ; v1(90.1,46.29) 89.39,47 U12.33 ; v1(50.83,13.87) 50.67,14.03 v1(49.25,14.03) ; U13.33 87.59,67.55 v1(88.14,67) ; U10.15 U10.15
  Bottom w0.2: v1(49.25,14.03) 49.25,12.1 46,8.85 P1.21 ; v1(53.91,47) 53.22,46.31 52.76,46.31 52.36,45.9 51.93,45.9 50.45,44.42 50.45,43.38 50.15,43.08 50.15,38.19 49.05,37.09 v1(49.05,35.7) 49.05,33.86 50.64,32.27 50.64,29.19 50.95,28.88 50.95,13.99 v1(50.83,13.87) ; v1(63.2,66.32) 63.7,65.82 63.7,55.32 61.4,53.01 61.4,48.17 v1(63.52,46.04) ; v1(90.1,46.29) 89.8,46.59 89.8,50.8 92.88,53.87 92.88,58.87 92.58,59.17 v1(92.58,59.58) 91.8,60.36 91.8,65.77 90.87,66.7 88.44,66.7 v1(88.14,67)
/D_{3}: length 165.5
  Top w0.2: 87.2,66.3 87.2,66.54 v1(87.24,66.58) 87.21,66.55 U13.35 ; 59.01,46 62.25,46 v1(63.12,45.13) ; U8.35 58,46 57.1,46.9 54.8,46.9 54.2,46.3 50.7,46.3 50.49,46.51 U10.17 ; v1(49.05,26.11) 50.64,27.7 53.62,27.7 54.44,28.52 59.34,28.52 60.16,29.35 61.32,29.35 61.71,28.96 62.73,28.96 64.69,30.91 v1(65,30.91) ; v1(92.18,58.58) 89.18,58.58 87.74,57.15 74.62,57.15 66.41,65.36 v1(62.91,65.36) 61.72,66.55 U9.35 ; v1(89.7,45.32) 89.67,45.32 88.99,46 U12.35
  Bottom w0.2: v1(65,30.91) 65,32.22 65.3,32.52 65.3,38.62 64.62,39.3 64.62,43.62 v1(63.12,45.13) 61,47.25 61,53.18 63.3,55.48 63.3,64.97 v1(62.91,65.36) ; v1(49.05,26.11) 49.35,25.81 49.35,16.52 48.05,15.22 48.05,13.4 43.5,8.85 P1.22 ; v1(89.7,45.32) 89.67,45.32 89.4,45.59 89.4,50.96 92.48,54.04 92.48,58.28 v1(92.18,58.58) 91.4,59.36 91.4,65.61 90.71,66.3 87.52,66.3 v1(87.24,66.58)
/D_{4}: length 160.6
  Top w0.2: v1(64.72,29.96) 64.29,29.96 62.89,28.56 61.54,28.56 61.15,28.95 60.33,28.95 59.5,28.12 54.61,28.12 53.79,27.3 51.96,27.3 v1(51.66,27) ; U13.38 86.65,65.05 87.18,64.52 v1(90.7,64.52) ; U12.38 88.72,44.5 v1(89.3,43.92) ; U8.38 57.9,44.5 57.12,43.72 54.93,43.72 52.75,45.9 49.8,45.9 49.22,46.48 U10.18 ; v1(62.72,43.63) 61.85,44.5 59.01,44.5 ; U9.38 61.91,65.05 v1(62.52,64.44) 66.77,64.44 74.46,56.75 87.91,56.75 88.79,57.63 v1(91.78,57.63) ; P1.50 51,9.66 v1(50.65,10.01)
  Bottom w0.2: v1(89.3,43.92) 89,44.22 89,51.13 92.08,54.21 92.08,57.33 v1(91.78,57.63) 90.78,58.62 90.78,64.44 v1(90.7,64.52) ; v1(62.52,64.44) 62.9,64.06 62.9,55.65 60.6,53.35 60.6,45.75 v1(62.72,43.63) 64.22,42.13 64.22,39.13 64.9,38.46 64.9,32.68 64.3,32.08 64.3,30.37 v1(64.72,29.96) ; v1(50.65,10.01) 50.65,12.65 51.6,13.6 51.6,14.09 51.35,14.34 51.35,26.69 v1(51.66,27)
/D_{5}: length 160
  Top w0.2: 59.01,43.5 61.45,43.5 v1(62.32,42.63) ; U13.40 89.73,64.05 v1(90,63.79) ; U10.19 47.95,46.45 48.9,45.5 52.59,45.5 54.76,43.33 57.72,43.33 57.9,43.5 U8.40 ; v1(56.26,12.6) 54.41,10.75 50.4,10.75 48.5,8.85 P1.51 ; U12.40 88.33,43.5 v1(88.9,42.93) ; v1(91.38,56.63) 88.35,56.63 88.08,56.35 74.29,56.35 67.19,63.45 v1(62.2,63.45) 61.6,64.05 U9.40
  Bottom w0.2: v1(88.9,42.93) 88.6,43.23 88.6,51.29 91.68,54.37 91.68,56.33 v1(91.38,56.63) 90.08,57.93 90.08,63.71 v1(90,63.79) ; v1(62.2,63.45) 62.5,63.15 62.5,55.81 60.2,53.51 60.2,44.76 v1(62.32,42.63) 63.82,41.13 63.82,38.97 64.5,38.29 64.5,32.85 63.9,32.25 63.9,29.7 65.3,28.3 65.3,22.26 63.98,20.94 63.98,20.36 64.39,19.95 64.4,19.95 64.97,19.38 64.97,15.89 62.43,13.35 58.13,13.35 57.38,12.6 56.27,12.6 v1(56.26,12.6)
/D_{6}: length 160.5
  Top w0.2: v1(88.5,41.95) 87.95,42.5 U12.42 ; v1(90.98,55.62) 90.65,55.95 74.12,55.95 67.63,62.45 v1(61.8,62.45) 61.2,63.05 U9.42 ; U8.42 57.9,42.5 57.47,42.92 54.59,42.92 52.42,45.1 48.05,45.1 46.68,46.47 U10.20 ; v1(61.92,41.69) 61.11,42.5 59.01,42.5 ; v1(56.97,13.31) 55.96,13.31 53.8,11.15 48.3,11.15 46,8.85 P1.52 ; v1(89.29,63.08) 89.26,63.05 U13.42
  Bottom w0.2: v1(88.5,41.95) 88.2,42.25 88.2,51.46 91.07,54.33 91.07,55.53 v1(90.98,55.62) 89.38,57.22 89.38,62.99 v1(89.29,63.08) ; v1(61.8,62.45) 62.1,62.15 62.1,55.98 59.8,53.68 59.8,43.82 v1(61.92,41.69) 63.42,40.19 63.42,38.8 64.1,38.12 64.1,33.07 63.5,32.47 63.5,29.53 64.9,28.13 64.9,22.42 63.58,21.11 63.58,20.19 64.57,19.2 64.57,16.06 62.27,13.75 57.96,13.75 57.52,13.31 v1(56.97,13.31)
/D_{7}: length 161.2
  Top w0.2: v1(88.55,62.34) 86.94,62.34 86.65,62.05 U13.44 ; U8.44 57.9,41.5 56.88,42.52 54.43,42.52 52.25,44.7 47.2,44.7 45.41,46.49 U10.21 ; P1.53 43.5,8.85 46.2,11.55 53.63,11.55 56.28,14.2 v1(57.42,14.2) ; U12.44 87.22,41.5 87.76,40.96 v1(88.1,40.96) ; 59.01,41.5 60.71,41.5 v1(61.52,40.69) ; U9.44 60.81,62.05 v1(61.4,61.46) 68.05,61.46 73.96,55.55 89.64,55.55 v1(90.37,54.83)
  Bottom w0.2: v1(88.1,40.96) 87.8,41.26 87.8,51.63 90.37,54.19 v1(90.37,54.83) 88.67,56.52 88.67,62.22 v1(88.55,62.34) ; v1(57.42,14.2) 57.47,14.15 62.1,14.15 64.17,16.22 64.17,19.03 63.18,20.03 63.18,21.27 64.5,22.59 64.5,27.97 63.1,29.37 63.1,32.63 63.7,33.23 63.7,37.96 63.02,38.63 63.02,39.19 v1(61.52,40.69) 59.4,42.82 59.4,53.84 61.7,56.15 61.7,61.16 v1(61.4,61.46)
/FF_{OUT}: length 41.9
  Top w0.2: v1(25.6,37.85) 25.3,38.15 19.82,38.15 16.27,41.7 v1(15.78,41.7) ; 7.29,33.7 7.29,33.85 ; U14.9 25.3,27.5 v1(25.1,27.3) ; 7.41,33.42 7.12,33.72 ; SW4.2 7.13,37.41 SW4.2 7.91,38.22 7.91,41.81 8.3,42.2 12.5,42.2 12.65,42.05 v1(12.65,41.9)
  Bottom w0.2: v1(25.1,27.3) 24.2,28.2 24.2,29.19 25.9,30.89 25.9,37.55 v1(25.6,37.85) ; v1(12.65,41.9) 12.85,41.7 v1(15.78,41.7)
/MULTI: length 130.5
  Top w0.2: U7.3 67.03,17.27 67.3,17.55 68.9,17.55 70.67,19.33 74.72,19.33 76.07,17.97 R5.1 78.3,18.59 79.47,19.76 79.47,22.75 78.91,23.32 78.91,24.8 78.5,25.21 77.86,25.21 77.04,24.4 76.23,24.4 75.08,25.55 71.63,25.55 71.17,25.09 v1(70.4,25.09) ; SW5.2 13.75,42.6 7.29,42.6 ; SW5.2 13.8,42.6 15.4,41 16.4,41 19.65,37.75 24.71,37.75 25.31,37.15 25.95,37.15 26.95,38.15 29.24,38.15 30.77,36.62 30.77,33.35 31.32,32.8 36.02,32.8 36.32,32.5 37,32.5 37,32.49 40.39,29.1 40.81,29.1 42.06,27.86 42.06,23.25 42.43,22.88 43.82,22.88 v1(43.83,22.87) ; SW5.2 13.8,39.02 ; SW4.1 SW4.1 5.07,37.42 6.62,38.97 SW4.3 ; v1(47.54,24) 47.54,24 48.54,24 49.14,24.6 49.73,24.6 50.63,25.5 52.28,25.5 52.88,26.1 54.28,26.1 55.1,26.92 60.46,26.92 60.76,26.62 61.34,26.62 62.47,27.75 63.22,27.75 64.32,28.86 65.17,28.86 66.52,30.2 69.69,30.2 v1(69.77,30.28) ; 7.14,38.97 7.14,42.6
  Bottom w0.2: v1(47.54,24) 46.41,22.87 v1(43.83,22.87) ; v1(70.4,25.09) 70.7,25.39 70.7,29.77 70.14,30.34 70.08,30.28 v1(69.77,30.28)
/MULTI_{PU}: length 8.9
  Top w0.2: SW5.1 RS5.1 SW5.1 14.45,33.1 17.97,33.1 R13.2
/RAM.MULTI: length 58.9
  Top w0.2: R15.1 46.47,27.9 43.56,27.9 SW6.3 ; SW6.3 SW6.3 ; SW6.3 42.91,28.48 42.68,28.7 41.78,28.7 40.98,29.5 40.56,29.5 39.56,30.5 39.56,30.51 37.17,32.9 36.48,32.9 36.18,33.2 32.95,33.2 32.71,33.44 U10.2 32.71,35.39 29.55,38.55 19.98,38.55 16.13,42.4 v1(15,42.4) ; 4.75,42.45 4.75,42.6 ; v1(12.67,43.31) 12.36,43 8.35,43 7.7,43.65 5.65,43.65 4.6,42.6 4.6,38.97
  Bottom w0.2: v1(15,42.4) 13.58,42.4 v1(12.67,43.31)
/RAM.~{CE}: length 76.7
  Top w0.2: U5.7 62.53,17.47 v1(62.2,17.8) ; U11.5 20.5,46.8 21.1,46.2 24.73,46.2 25.7,45.23 25.7,40.74 27.49,38.95 40.04,38.95 v1(40.39,39.3) ; v1(62.4,31.51) 60.63,31.51 58.84,29.72 53.95,29.72 53.12,28.9 45.9,28.9 45.3,28.3 43.65,28.3 42.85,29.1 41.94,29.1 v1(40.84,30.2)
  Bottom w0.2: v1(40.39,39.3) 40.39,38.71 42.09,37.01 42.09,31.7 40.84,30.45 v1(40.84,30.2) ; v1(62.2,17.8) 62.15,17.85 62.15,28.8 62.7,29.35 62.7,31.21 v1(62.4,31.51)
/RAM/A_{11SW}: length 23.9
  Top w0.2: v1(40.66,49.3) 40.33,48.97 U10.25 ; SW2.8 42.25,59.97 42.2,59.93 ; SW2.8 SW2.8 ; SW2.8 43.99,59.93 42.2,59.93 ; 42.2,59.93 40.7,58.43 v1(40.7,58.42) 39.11,58.42 R8.2 38.07,59.4
  Bottom w0.2: v1(40.66,49.3) 40.4,49.55 40.4,56.73 40,57.13 40,57.72 v1(40.7,58.42)
/RAM/A_{12SW}: length 49.2
  Top w0.2: v1(41.79,38.3) 41.64,38.15 35.55,38.15 35.25,37.85 U10.4 U10.4 ; SW2.7 SW2.7 45.53,64.65 43.52,64.65 43.19,64.32 43.19,61.92 40.7,59.43 v1(40.7,59.42) ; v1(40.71,57.42) 40.62,57.5 38.07,57.5
  Bottom w0.2: v1(41.79,38.3) 41.45,38.3 41.09,38.66 41.09,39.59 41.69,40.19 41.69,49.25 40.8,50.14 40.8,57.32 v1(40.71,57.42) 41.4,58.11 41.4,58.71 40.7,59.41 v1(40.7,59.42)
/RAM/A_{13SW}: length 30.7
  Top w0.2: v1(39.7,56.42) 38.88,55.6 R10.2 37.3,54.77 37.3,49.6 36.52,48.82 U10.28 ; v1(40.7,60.42) 40.7,60.43 42.79,62.52 42.79,64.49 43.35,65.05 45.7,65.05 46.1,64.65 48.07,64.65 SW2.6 SW2.6
  Bottom w0.2: v1(39.7,56.42) 39.6,56.52 39.6,57.88 40,58.28 40,59.71 40.7,60.41 v1(40.7,60.42)
/RAM/A_{14SW}: length 57.9
  Top w0.2: v1(41.79,39.3) 41.04,38.55 34.55,38.55 33.98,37.98 U10.3 U10.3 ; v1(40.7,61.42) 40.88,61.6 40.9,61.6 42.39,63.09 42.39,64.65 43.19,65.45 45.86,65.45 46.26,65.05 48.24,65.05 48.64,64.65 50.61,64.65 SW2.5 SW2.5 ; v1(41.5,56.69) 41.12,56.69 R11.2 38.07,53.7
  Bottom w0.2: v1(41.79,39.3) 42.09,39.6 42.09,49.42 41.2,50.31 41.2,56.39 v1(41.5,56.69) 41.41,56.78 41.41,57.55 41.8,57.94 41.8,58.87 41.4,59.27 41.4,60.72 v1(40.7,61.42)
